# KiCad board bottom-board.kicad_pcb (continued)
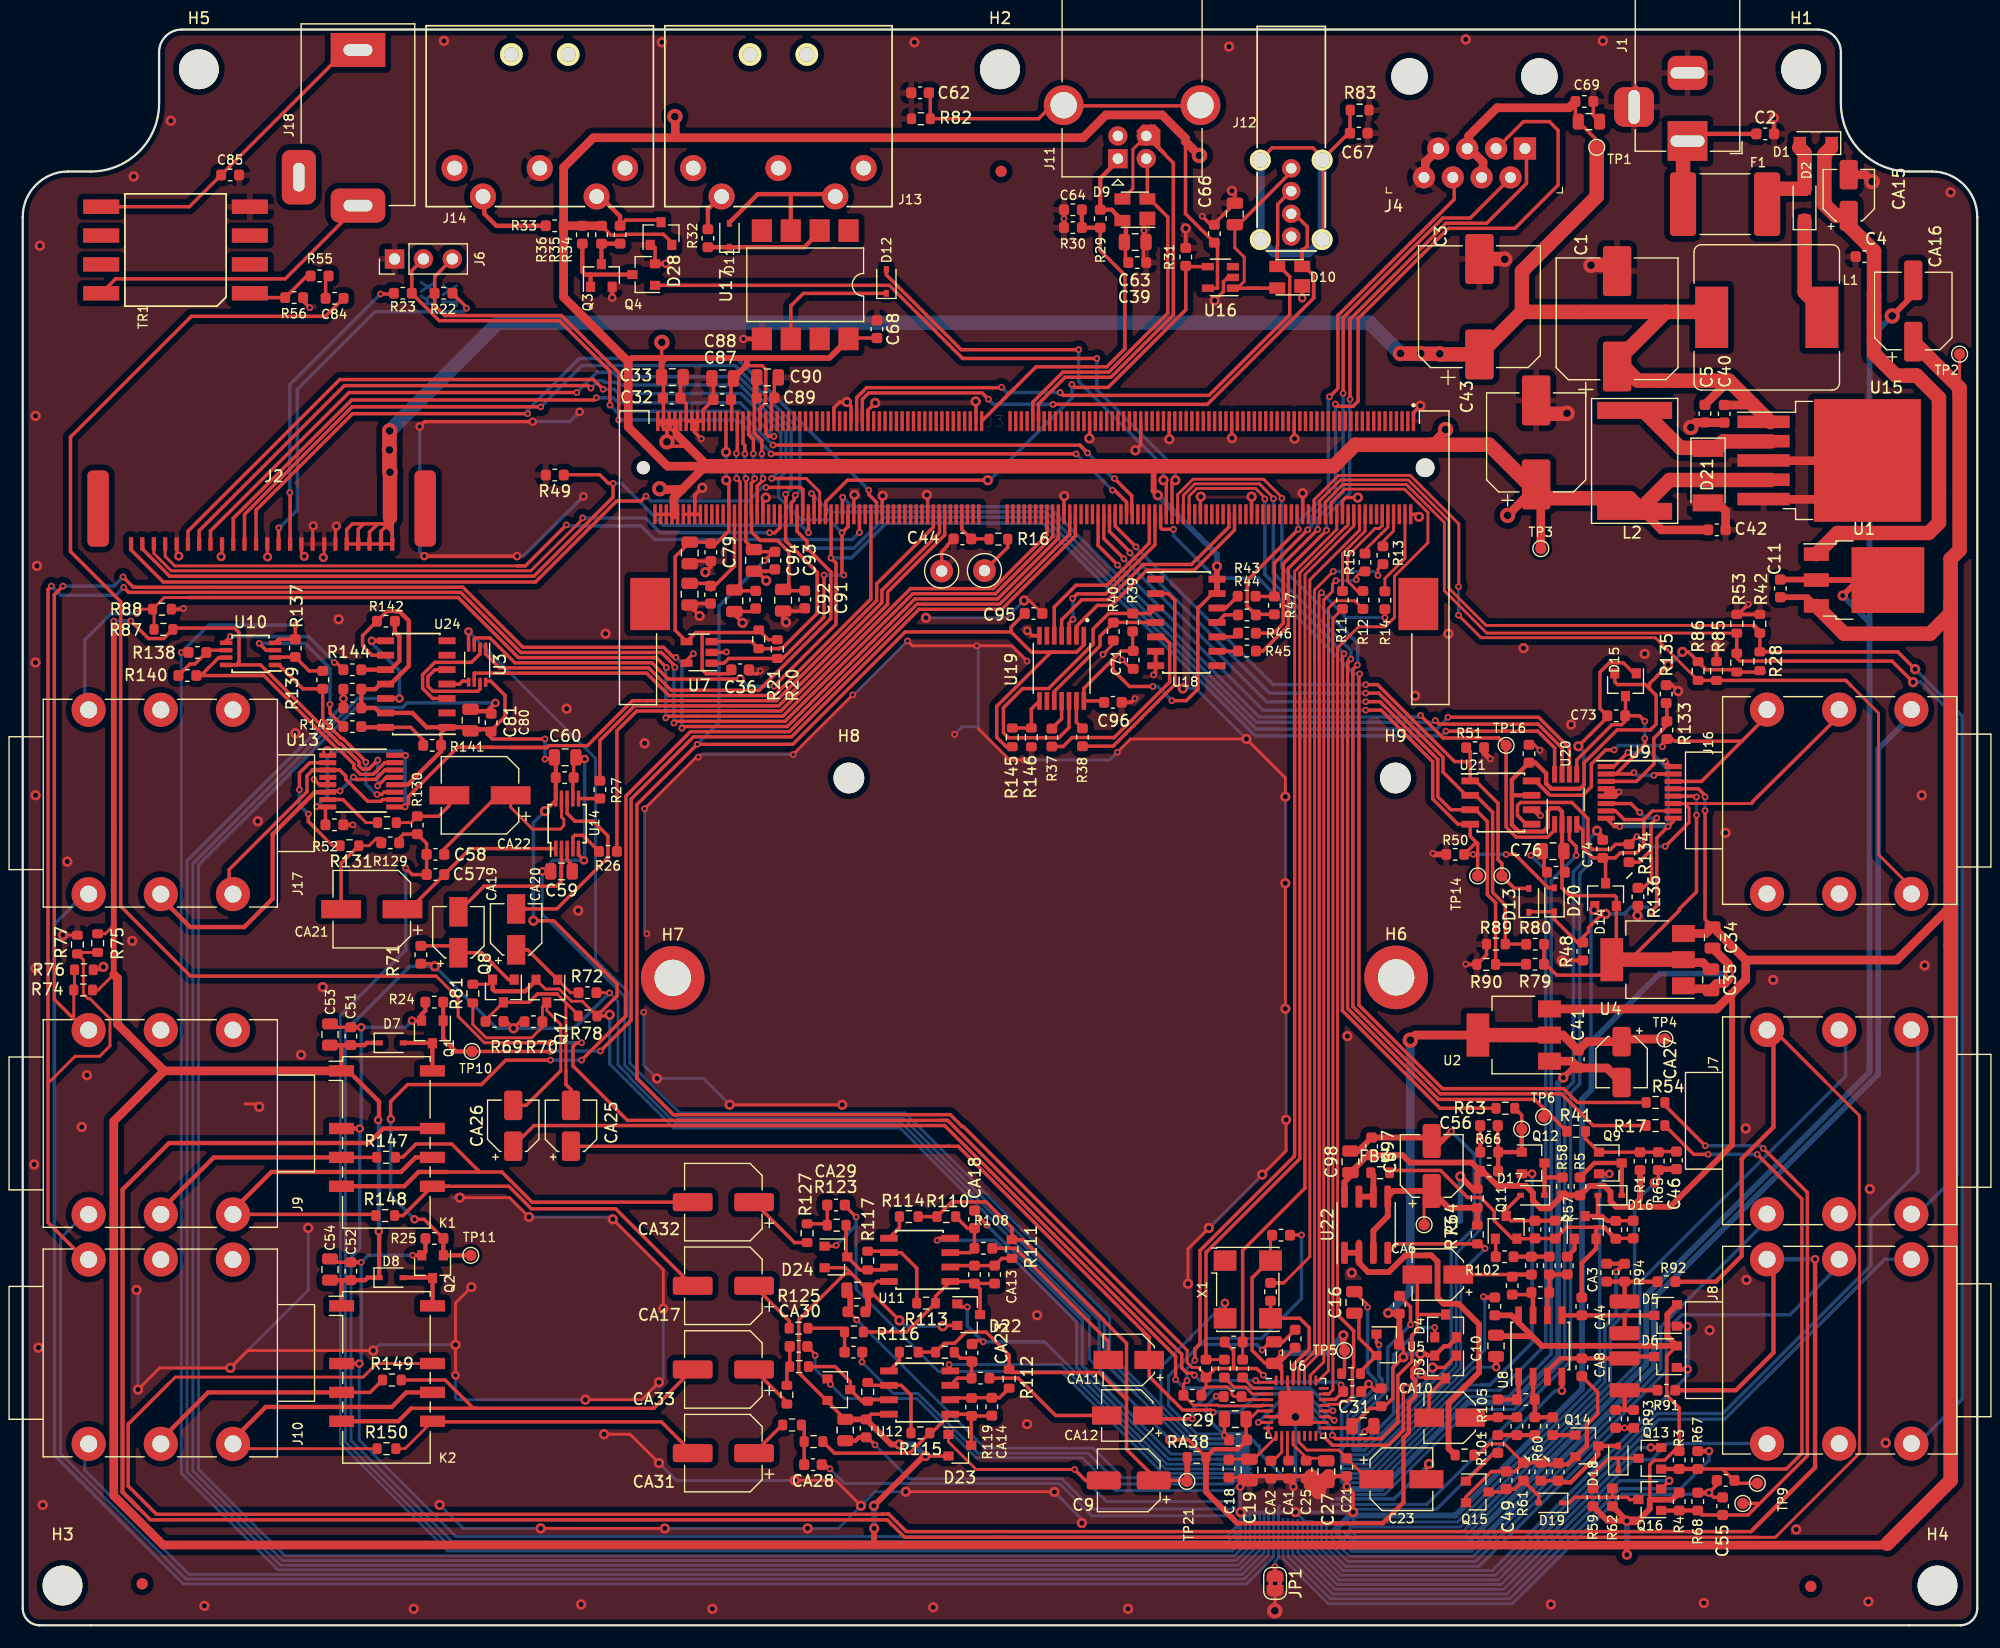
[diagram p0: board, top side]
## Routing (per net, layer and track width the routed paths; a pad name or vN(x,y) marks a point on that pad's centre or on a via; arc(x,y) is an arc through that point) (continued)
  Top w0.381: C64.2 v2(91.63,123.85) R30.2 ; 98.66,121.84 v2(98.66,122.8) 98.66,123.55 D9.1 ; Q3.2 v4(51.87,116.89) ; D10.1 v4(112.6,116.85) ; U17.5 v4(63.42,113.26) ; Q4.2 v4(56.59,119.88)
  Top w0.508: U9.5 140.09,73 v2(140.46,73.37) 139.62,73.37 U9.4 ; v2(129.14,76.28) 128.6,76.83 R51.2 ; 140.77,134.21 141.93,135.37 ; U21.6 133.05,71.8 v2(133.57,71.28) ; v2(124.09,67.98) 124.19,67.88 R50.2
  Top w0.762: v3(146.8,105.47) 147.24,105.91 C5.2 148.05,105.89 C40.2 ; 124.7,130.11 123.43,128.84 123.43,127.57 ; CA15.2 162.14,127.72 v3(162.75,127.11) ; 153.86,99.14 159.61,99.14 163.01,102.54 153.86,102.54 ; 149.11,98.87 149.86,98.12 C42.2
  Top w1.27: C3.2 130.39,120.3 v3(130.41,120.28) ; 133.73,106.67 135.86,106.67 v3(135.9,106.71) ; v3(138.01,119.74) 138.04,119.78 140.33,119.78
  Bottom w0.254: v1(67.93,12.76) 57.52,12.76 v1(55.99,14.28) ; v2(96.33,76.87) 95.64,76.18 v2(88.12,76.18) ; v1(36.69,10.6) 38.75,8.53 v1(45.58,8.53) ; v2(73.03,81.92) 73.11,81.92 v2(77.86,86.67) ; v2(67.8,76.66) 59.67,76.66 v2(59.45,76.44) ; v4(38.08,22) 38.08,20 38.22,19.86 v1(49.51,19.86) ; v1(56.37,27.87) 56.37,21.77 v1(55.99,21.39) ; v1(10.02,29.52) 10.14,29.39 v1(10.14,20.76) ; v2(54.72,71.89) 54.72,61.09 v2(54.92,60.89) ; v2(54.65,53.98) 54.65,49.32 v1(55.82,48.15) 59.9,48.15 v1(62.21,45.83) ; v1(88.12,90.23) 86.6,88.7 v1(79.49,88.7) ; v1(90.79,11.74) 93.2,9.33 v1(93.2,9) ; v1(25.13,34.98) 25.13,29.52 v1(18.27,22.66) ; v1(38.08,24.7) 31.35,24.7 v1(30.85,24.19) ; v1(111.11,54.29) 111.18,54.22 v1(111.18,44.51) ; v1(107.68,78.04) 103.24,82.48 v1(102.09,82.48) ; v1(77.71,11.76) 75.01,11.76 v1(73.77,10.53) 71.78,8.53 v1(69.07,8.53) v1(56.5,8.53) ; v2(82,78.44) 82.66,79.1 84.08,79.1 84.08,86.11 v2(83.96,86.24) ; v1(104.38,34.98) v1(109.08,39.68) ; v1(44.55,35.95) 51.72,35.95 v1(51.93,35.74) ; 37.83,37.65 v1(38.47,37.65) ; v1(111.11,65.34) v1(111.11,72.96)
  Bottom w0.305: v4(34.93,105.54) 34.93,94.55 v4(35.34,94.14) ; v4(49.01,106.84) 48.15,105.98 v4(44.87,105.98) ; v4(43.49,94.14) 44.08,94.14 v4(49.34,99.4)
  vias: v1(1,40.57) v1(1.13,106.48) v1(1.13,84.77) v1(1.13,73.08) v1(1.13,57.84) v1(1.25,93.28) v1(1.38,24.44) v1(1.51,121.47) v1(1.76,10.6) v1(3.92,67.24) v1(5.19,43.87) v1(5.65,48.43) v1(9.64,60.26) v1(9.76,127.57) v1(13.03,132.47) v1(15.99,1.71) v1(20.69,70.8) v1(23.99,78.54) v1(24.5,50.22) v1(26.4,56.19) v1(27.8,88.58) v1(34.4,1.45) v1(37.07,139.5) v1(47.86,80.7) v1(48.88,62.92) v1(49.13,1.84) v1(51.29,87.31) v1(54.72,77.65) v1(56.25,139.38) v1(60.69,1.45) v1(78.47,139.38) v1(79.56,99.52) v1(80.12,1.58) v1(88.38,17.71) v1(89.27,27.3) v1(97.27,1.45) v1(106.16,139) v1(116.57,51.87) v1(116.95,31.05) v1(122.54,81.85) v1(125.46,87.31) v1(126.98,139.63) v1(132.06,86.04) v1(134.48,1.84) v1(136.26,79.31) v1(139.05,139.5) v1(142.73,85.53) v1(147.94,1.96) v1(148.45,25.97) v1(149.84,69.78) v1(151.62,43.75) v1(151.69,30.41) v1(154.04,56.83) v1(156.07,8.44) v1(162.42,2.09) v1(162.54,38.41) v1(163.94,16.06) v1(167.12,73.08) v1(167.37,58.1) v1(169.66,126.17) v2(14.13,89.54)
VCC1V8_CODEC: length 207.8
  Top w0.254: v2(116.01,21.16) 116.2,20.97 C20.2 ; 101.74,24.95 102.47,24.21 102.47,23.12 102.89,22.71 103.41,22.71 104.13,21.99 R7.1 104.13,20.99 106.01,20.99 106.4,20.6 106.4,20.34 106.6,20.14 C22.2 107.54,19.86 U6.3
  Top w0.305: v2(63.55,103.14) 63.55,103.89 63.39,104.05 J3.229 ; 104.13,20.99 103.72,20.58 R6.1 ; 86.98,87.46 86.98,87.89 C95.1 ; 86.98,87.46 88.76,85.68 91.96,85.68 ; 86.98,87.46 77.66,87.46 67.77,77.57 v2(59.36,77.57) 54.05,72.26 54.05,48.15 57.24,44.96 81.62,44.96 82.67,43.91 82.78,43.91 101.74,24.95 ; 91.96,85.68 92.75,85.68 93.37,86.31 U19.1 ; 91.96,85.68 90.48,85.68 85.71,80.91 85.71,78.19 86.55,77.35 R145.1 ; 106.58,22.6 108.59,22.6 v2(109.18,22.02) ; 106.58,22.6 104.92,22.6 R7.1 ; 106.58,22.6 106.55,22.64 106.55,24.17 R8.1 ; 116.06,20.72 C20.2 115.52,19.89 114.51,19.89 U6.22 ; v2(65.29,93.76) 66.05,94.52 C93.2 64.54,94.52 C94.1 63.64,95.42 J3.228 63.65,97.84 v2(63.65,100.96)
  Bottom w0.305: v2(109.18,22.02) 109.78,21.42 115.76,21.42 v2(116.01,21.16) ; v2(63.65,100.96) 63.55,101.07 v2(63.55,103.14) ; v2(59.36,77.57) 61.27,79.48 61.27,89.74 v2(65.29,93.76)
VCC3V3_S0: length 22.1
  Top w0.305: 65.3,95.51 64.89,95.51 64.14,96.27 J3.226 64.11,97.84 64.11,100.56 64.4,100.85 v2(64.4,100.97) ; 65.3,95.51 66.42,95.51 ; 65.3,95.51 66.42,95.51 ; 64.3,104.42 64,104.71 ; 64.3,104.42 v2(64.3,103.16) ; 64.3,104.42 63.89,104.83 J3.227 63.89,104.98 ; 66.42,95.51 67.41,94.52 67.41,91.7 C92.1 67.03,91.09 C91.2
  Bottom w0.305: v2(64.4,100.97) 64.3,101.08 v2(64.3,103.16)
VCC_RTC: length 9.1
  Top w0.305: C78.1 60.3,91.73 C72.2 ; 60.53,91.15 62.64,93.26 62.64,97.46
VDDIO_WL: length 14.5
  Top w0.305: v2(65.05,103.14) 65.05,104.31 64.39,104.97 J3.225 64.39,109.67 C90.1 C89.2 ; J3.224 64.64,100.31 65.15,100.83 v2(65.15,100.97)
  Bottom w0.305: v2(65.05,103.14) 65.05,101.08 v2(65.15,100.97)
/audio-inputs/INPUT_BIAS: length 19
  Top w0.254: TP20.1 123.32,37.57 C6.1
  Top w0.381: 127.95,35.24 R73.1
  Top w0.508: U22.3 118.86,34.74 120.13,36.01 U22.5 120.63,38.24 C6.1 125.47,36.76 R64.2 R73.1
/audio-inputs/INPUT_BIAS_1: length 32.1
  Top w0.305: R18.2 140.22,34.07 C48.1 ; 138.45,35.04 135.85,35.04 R57.2 133.1,34.05 C50.1 133.05,34.04 Q11.2 131.09,34.04 129.49,35.63 129.49,36.45 128.28,37.67 127.15,37.67 124.77,40.05 120.48,40.05 FB3.1
  Top w0.381: R18.2 139.17,35.04 138.45,35.04 Q10.2 138.45,33.15 137.2,31.9 R96.1
/audio-inputs/INPUT_BIAS_2: length 26.2
  Top w0.254: R61.2 130.39,15.98 129.08,15.98 128.09,14.99 FB2.1
  Top w0.305: Q14.2 136.69,14.84 ; 136.94,21.67 R95.1 138.59,20.53 138.59,18.6 137.64,17.65 ; Q15.2 127,11.3 129.25,13.55 C49.1 131.3,13.55 R61.2 R60.2
  Top w0.381: 136.69,14.84 137.64,15.8 137.64,17.65 ; 133.4,14.16 135.95,14.16 Q14.2
/audio-outputs/OUTPUT_BIAS: length 65.1
  Top w0.305: R114.1 R110.2 81.74,37.27 84.75,37.27 87.06,34.97 R111.2 88.01,33.95 97.13,24.83 97.13,19.86 ; 97.13,19.86 97.13,15.49 99.53,13.1 C9.1 102.36,12.76 TP21.1 ; 97.13,19.86 97.13,19.88 94.75,22.26 87.07,22.26 R112.2 86.8,23.79 84.78,25.82 83,25.82 82.01,24.83 81.1,24.83 R109.2 R116.1
  Top w0.508: RA38.2 102.47,12.63
CHAIN_UART_DE: length 15.8
  Top w0.305: J3.94 99.14,95.28 95.43,91.57 92.7,91.57 90.77,89.65 U19.5
CHAIN_UART_RE: length 15.3
  Top w0.305: J3.92 99.64,95.14 95.3,90.8 92.78,90.8 v2(92.39,90.41) ; U19.3 92.07,88.22 v2(92.42,88.57)
  Bottom w0.305: v2(92.42,88.57) 92.42,90.37 v2(92.39,90.41)
CHAIN_UART_RX: length 19.6
  Top w0.305: U19.2 92.72,87.95 94.57,89.8 95.82,89.8 98.92,92.89 103.1,92.89 106.64,96.43 J3.64
CHAIN_UART_TX: length 20.6
  Top w0.305: J3.66 106.14,96.69 102.85,93.4 98.61,93.4 95.51,90.3 93.2,90.3 91.42,88.53 U19.4
CLI_UART_RX: length 78.6
  Top w0.305: v2(51.67,107.44) 51.67,110.42 47.23,114.87 36.65,114.87 R23.2 34.24,119.27 J6.2 ; v2(96.07,100.97) 97.59,99.45 97.59,97.86 J3.100 ; v2(66.02,103.91) 93.02,103.91 v2(93.71,103.22) 93.02,103.91
  Bottom w0.305: v2(66.02,103.91) 63.04,106.89 52.22,106.89 v2(51.67,107.44) ; v2(96.07,100.97) 95.96,100.97 v2(93.71,103.22)
CLI_UART_TX: length 76.4
  Top w0.305: v2(52.45,106.13) 52.45,110.29 47.42,115.32 37.12,115.32 36.24,116.2 R22.2 36.25,117.29 36.25,118.75 J6.3 ; v2(95.89,99.94) 96.08,99.94 97.14,98.89 J3.102 ; v2(65.85,103.14) v2(92.69,103.14)
  Bottom w0.305: v2(92.69,103.14) v2(95.89,99.94) ; v2(65.85,103.14) 65.85,103.23 62.95,106.13 v2(52.45,106.13)
CODEC_ADC_A: length 32.6
  Top w0.254: v2(108.73,17.86) U6.7
  Top w0.305: v2(115.24,16.73) 115.54,16.43 119.55,16.43 121.02,17.9 121.02,21.99 122.25,23.23 122.25,25.54 122.73,26.01 122.73,27.36 ; 122.73,27.36 122.73,27.36 D4.3 ; 122.73,27.36 CA6.2
  Bottom w0.305: v2(115.24,16.73) 115.24,17.33 114.54,18.03 114.54,18.11 112.78,19.87 110.74,19.87 v2(108.73,17.86)
CODEC_ADC_B: length 28.7
  Top w0.254: U6.8 109.61,17.36 v2(109.61,16.71)
  Top w0.305: v1(123.08,22.13) 123.46,21.75 D3.3 123.77,20.31 CA10.2 ; v1(121.77,20.84) 121.49,20.56 121.49,17.18 120.17,15.85 115.26,15.85 v2(114.45,16.67)
  Bottom w0.305: v2(109.61,16.71) 109.61,17.73 111.24,19.36 112.57,19.36 114.08,17.85 114.08,17.03 v2(114.45,16.67) ; v1(121.77,20.84) 123.06,22.13 v1(123.08,22.13)
CODEC_DAC_A: length 81.6
  Top w0.254: v2(115.41,18.05) 115.34,18.05 115.02,18.36 U6.19
  Top w0.305: v2(104.76,18.75) 104.56,18.95 102.08,18.95 99.13,21.9 CA11.1 99.13,25.36 82.32,42.18 CA25.1
  Bottom w0.305: v2(115.41,18.05) 115.24,18.05 112.92,20.38 108.68,20.38 107.09,18.79 104.79,18.79 v2(104.76,18.75)
CODEC_DAC_B: length 96.9
  Top w0.254: v2(115.3,18.88) 115.28,18.86 U6.20
  Top w0.305: 101.99,18.17 102.39,18.17 102.17,18.17 ; 101.99,18.17 102.01,18.18 v2(102.92,18.18) ; 101.99,18.17 98.02,18.17 ; CA26.1 44.99,44 81.14,44 101.45,23.68 v2(101.45,21.63)
  Bottom w0.305: 107.39,20.89 113.3,20.89 v2(115.3,18.88) ; 107.39,20.89 104.84,20.89 102.92,18.96 v2(102.92,18.18) ; 107.39,20.89 102.2,20.89 v2(101.45,21.63)
CODEC_I2C_SCL: length 81.3
  Top w0.254: R7.2 R10.2 ; 112.38,81.75 112.38,92.67 116.39,96.68 116.45,96.68 116.64,96.87 J3.24
  Top w0.305: 112.38,81.75 112.38,41.08 104.18,32.88 104.13,32.88 R7.2
CODEC_I2C_SDA: length 78.5
  Top w0.254: R9.2 R8.2 ; 112.84,81.57 112.84,92.5 117.14,96.79 J3.22
  Top w0.305: R8.2 107.35,33 112.84,38.49 112.84,81.57
CODEC_I2S_BCLK: length 7.5
  Top w0.254: J3.4 121.64,93.93 119.87,92.17 R14.2
CODEC_I2S_LRCK: length 3.2
  Top w0.254: R13.2 119.69,95.41 120.64,96.35 J3.8
CODEC_I2S_MCLK: length 71.6
  Top w0.254: J3.20 117.64,96.42 113.27,92.05 113.27,32.45 110.97,30.15
  Top w0.305: R19.2 110.97,30.15
CODEC_I2S_SDIN: length 9.1
  Top w0.254: R12.2 117.46,91.07 116.6,91.93 116.6,94.17 119,96.57 119.38,96.57 119.64,96.83 J3.12
CODEC_I2S_SDOUT: length 4.3
  Top w0.254: J3.10 120.14,96.69 119.57,96.12 119.57,96.12 118.12,94.67 R15.2
CODEC_MUTEC: length 96.8
  Top w0.254: U6.21 114.84,19.36 114.94,19.46 115.79,19.46 116.05,19.72 ; 115.7,29.63 115.7,86.06 117.56,87.92 119.9,87.92 120.71,88.73 120.71,92.37 123.66,95.31 123.66,97.97 121.6,100.03 116.33,100.03 115.14,98.84 J3.30
  Top w0.305: 115.73,29.63 115.73,27.31 117.12,25.92 117.12,22.75 117.01,22.64 117.01,20.17 116.56,19.72 116.05,19.72
CODEC_RESET: length 91.8
  Top w0.15: 109.59,19.38 109.54,19.38
  Top w0.254: J3.28 115.64,96.49 111.93,92.79 111.93,81.94 ; 108.62,19.32 109.08,19.32 108.37,19.32 ; 108.62,19.32 109.14,19.39 109.14,19.37 ; 108.62,19.32 108.37,19.32 ; 108.37,19.32 105.26,19.32 105.2,19.38 103.02,19.38 R6.2 102.14,21.23 v2(102.46,21.55)
  Top w0.305: 111.93,81.94 111.93,41.39 111.88,41.34 111.88,41.27 103.6,33 103.6,24.8 103.15,24.35 103.15,23.34 v2(103.15,23.33)
  Bottom w0.254: v2(103.15,23.33) 102.46,22.64 v2(102.46,21.55)
CODEC_SPDIF_OUT: length 195.9
  Top w0.254: 36.38,57.16 38.32,55.23 38.32,53.61 40.63,51.29 42.25,51.29 ; U6.32 110.14,21.39 108.7,21.39 108.53,21.56 v2(108.5,21.56)
  Top w0.305: 81.33,44.45 80.94,44.45 ; 80.94,44.45 53.21,44.45 48.42,49.25 48.42,50.95 48.75,51.29 v2(49.18,51.29) ; 80.94,44.45 81.41,44.45 81.41,44.44 101.99,23.86 101.99,22.66 102.45,22.2 102.92,22.2 v2(103.1,22.02) ; C84.2 26.64,115.25 14.83,115.25 4.2,104.61 4.2,94.55 8.62,90.13 8.62,63.3 14.76,57.16 36.38,57.16 ; v2(46.45,51.29) 42.25,51.29
  Bottom w0.254: v2(103.1,22.02) 103.57,21.56 v2(108.5,21.56)
  Bottom w0.305: v2(46.45,51.29) 46.45,51.29 v2(49.18,51.29)
CODEC_SPDIF_SDIN: length 7.6
  Top w0.254: R11.2 116.14,94.35 118.12,96.33 118.12,97.8
CV1_IN: length 36.3
  Top w0.305: U21.8 132.99,74.34 ; U21.8 133.26,74.34 ; U21.8 133.12,74.34 ; 134.49,73.08 137.29,73.08 138.04,73.83 138.04,75.82 139.3,77.08 v2(140.04,77.08) ; U9.14 147.73,74.3 151.28,77.84 ; 151.28,77.84 154.06,80.63 ; 151.28,77.84 145.35,77.84 145.16,78.03 R133.1 144.31,77.65 v2(144.31,77.36) ; 133.12,74.34 134.09,73.37 134.09,73.37 134.31,73.15 ; 133.12,74.34 134.38,73.09
  Bottom w0.305: v2(144.31,77.36) 144.2,77.46 140.42,77.46 v2(140.04,77.08)
CV2_IN: length 43.9
  Top w0.254: 152.13,72.35 U9.11 146.24,72.35 146.64,71.96 146.64,70.68 146.29,70.33
  Top w0.305: v2(144.54,68.58) 146.29,70.33 ; v2(142.05,69.44) 142.02,69.44 R134.1 140.88,68.76 140.87,68.76 140.16,68.76 139.71,68.31 138.14,68.31 137.74,68.71 137.74,71.03 136.32,72.45 131.8,72.45 131.54,72.18 131.54,71.3 132.31,70.53 U21.5 ; 160.41,80.63 152.29,72.58 152.13,72.35
  Bottom w0.305: v2(142.05,69.44) 142.91,68.58 v2(144.54,68.58)
CV_10V_OUT1: length 18.1
  Top w0.305: U13.11 31.8,73.35 31.6,73.16 v2(31.18,73.16) ; U10.1 22.55,84.55 24.65,82.45 R139.2 26.4,79.73 28.05,78.08 28.17,78.08 30.19,76.06 v2(30.19,75.98)
  Bottom w0.305: v2(31.18,73.16) 31.09,73.16 30.19,74.05 v2(30.19,75.98)
CV_10V_OUT2: length 25
  Top w0.305: U13.15 31.87,75.95 30.85,74.93 29.71,74.93 29.13,75.51 29.13,75.83 27.83,77.13 27.71,77.13 21.22,83.62 R140.2 15.68,83.62 17.26,85.2 U10.7
CV_ADC_DIN: length 125.3
  Top w0.305: v2(125.42,79.95) 133.4,79.95 136.11,77.23 U20.6 ; J3.210 68.14,96.32 69.02,95.43 v2(69.02,94.84) 71.12,92.74 71.12,88.65 65.14,82.67 65.14,82.66 64.79,82.32 57.07,82.32 55.09,84.29 41.97,84.29 40.73,85.53 40.73,86.23
  Bottom w0.305: 125.42,79.91 124.41,78.91 108.53,78.91 93.29,94.15 93.28,94.15 89.86,97.57 75.87,97.57 73.14,94.84 v2(69.02,94.84)
CV_ADC_DOUT: length 79.7
  Top w0.305: v2(124.31,79.66) 124.62,79.34 133.36,79.34 135.46,77.24 U20.7 ; v2(69.42,99.65) 69.64,99.43 J3.204
  Bottom w0.254: v2(69.42,99.65) 71.04,98.03 72.56,98.03
  Bottom w0.305: v2(124.31,79.66) 124.16,79.5 108.58,79.5 90.06,98.03 90.05,98.03 72.56,98.03
CV_ADC_SCLK: length 122.5
  Top w0.305: v2(125.24,78.73) 133.33,78.73 134.81,77.25 U20.8 ; v2(66.11,82.68) 71.57,88.14 71.57,93.52 v2(71.12,93.97) 71.14,93.96 71.14,93.83 J3.198 ; v4(63.15,83.34) 63.12,83.31 56.8,83.31 55.37,84.74 43.31,84.74 41.12,86.93 39.84,86.93 39.73,86.82 39.73,86.23
  Bottom w0.305: v4(63.15,83.34) 63.82,82.68 v2(66.11,82.68) ; v2(71.12,93.97) 72.92,93.97 75.99,97.05 89.74,97.05 108.48,78.31 124.82,78.31 v2(125.24,78.73)
CV_ADC_~{CS}: length 81.6
  Top w0.305: U20.1 134.81,70.02 134.18,69.39 131.43,69.39 130.54,70.29 TP16.1 129.88,78.12 124.99,78.12 v2(123.01,80.11) ; v2(72.16,99.32) 72.14,99.3 J3.194
  Bottom w0.305: v2(123.01,80.11) 122.87,79.97 108.82,79.97 90.31,98.48 73,98.48 v2(72.16,99.32)
CV_DAC_~{CS}: length 47.4
  Top w0.305: J3.184 74.64,90.35 66.14,81.86 66.14,81.86 56.88,81.86 54.9,83.83 39.73,83.83 39.73,83.13
CV_EXP_SW: length 43.4
  Top w0.305: U9.16 145.02,75.6 v2(144.54,76.08) ; U9.9 145.24,70.78 v2(144.79,70.33) 143.79,69.33 143.79,63.33 v2(143.29,62.83) ; U9.1 140.01,75.6 v2(141.26,76.86) ; D13.1 132.59,62.83 D20.1 134.79,62.14 136.82,60.11 R48.1 137.29,60.58 137.79,61.08 137.79,61.43 139,62.64 v1(139.29,62.64) ; U9.8 140.07,70.33 v2(140.54,70.33)
  Bottom w0.305: v1(139.29,62.64) 140.92,62.64 141.53,63.24 142.92,63.24 143.29,62.87 v2(143.29,62.83) ; 143.04,76.83 143.37,76.83 144.12,76.08 v2(144.54,76.08) ; 143.04,76.83 v2(141.26,76.86) ; 143.04,76.83 143.26,76.86 144.79,75.33 v2(144.79,70.33) v2(140.54,70.33)
CV_IN_DET: length 83.9
  Top w0.254: 113.64,99.09 J3.36 113.64,99.09 ; 113.64,99.09 115.79,101.24 122.1,101.24 126.37,96.97 126.37,91.47 v2(126.35,91.45) ; R86.1 143.67,86.95 128.33,86.95 v2(126.35,88.93) ; 166.76,64.4 163.31,67.86 163.31,80.32 160.92,82.71
  Top w0.305: 160.92,82.71 160.44,83.19 R85.2 147.43,83.19 R86.1
  Bottom w0.254: v2(126.35,91.45) v2(126.35,88.93)
CV_OUT_1: length 14.4
  Top w0.305: U10.3 21.41,85.85 v2(20.81,86.45) ; R143.2 27.04,80.31 v2(27.04,81.08)
  Bottom w0.305: v2(20.81,86.45) 24.84,86.45 27.04,84.26 v2(27.04,81.08)
CV_OUT_2: length 11.9
  Top w0.305: v2(27.42,84.77) 27.58,84.77 R144.2 ; U10.5 17.9,86.68 v2(18.27,87.05)
  Bottom w0.305: v2(27.42,84.77) 25.13,87.05 v2(18.27,87.05)
CV_OUT_DET: length 109.8
  Top w0.254: R87.1 11.55,89.34 R88.2 ; R88.2 12.45,90.49 14.55,90.49 ; R88.2 10.43,89.47 v2(10.04,89.08)
  Top w0.305: 55.43,85.2 55.55,85.2 ; 55.43,85.2 55.76,85.2 v2(56.64,84.32) ; 55.43,85.2 43.62,85.2 38.33,90.49 14.55,90.49 ; J3.130 90.14,96 85.41,91.28 78.13,91.28 66.9,80.04 56.74,80.04 v2(56.59,79.89)
  Bottom w0.305: 5.46,80.63 5.46,86.76 7.78,89.08 v2(10.04,89.08) ; v2(56.59,79.89) 56.59,84.27 v2(56.64,84.32)
EXP_EN1: length 57.8
  Top w0.305: TP15.1 130.17,67.07 129.83,67.41 129.83,72.37 127.86,74.34 U21.1 127.38,76.04 ; TP15.1 131.27,64.88 D13.2 ; TP15.1 131.03,65.12 ; 127.38,76.04 126,76.04 119.22,82.82 v2(118.19,82.82) ; 127.38,76.04 127.38,76.92 R51.1 ; J3.106 96.14,96.78 v2(97.96,94.96)
  Bottom w0.305: v2(118.19,82.82) 110.03,82.82 98.04,94.81 98.04,94.87 v2(97.96,94.96)
EXP_EN2: length 63.2
  Top w0.305: 128.03,68.83 127.38,69.49 U21.4 126.3,70.53 124.08,72.76 124.08,76.04 119.54,80.57 v2(118.19,80.57) ; 128.03,68.83 TP14.1 ; 128.03,68.83 127.8,68.83 R50.1 127.64,67.88 v2(127.64,67.88) ; J3.112 94.64,95.07 v2(96.35,93.35) ; D20.2 134.26,64.93 131.31,67.88 v2(130.54,67.88)
  Bottom w0.305: v2(127.64,67.88) v2(130.54,67.88) ; v2(118.19,80.57) 109.13,80.57 96.66,93.05 96.65,93.05 v2(96.35,93.35)
EXP_FLAG1: length 60.2
  Top w0.305: J3.108 95.64,96.3 97.43,94.51 v2(97.43,94.43) ; v2(118.19,82.07) 119.33,82.07 120.66,80.74 120.66,80.74 124.99,76.42 124.99,75.12 127.03,73.07 U21.2 127.86,73.07 129.35,71.58 129.35,71.58 129.35,64.52 130.46,63.41 R89.2 132.29,59.98 R80.1
  Bottom w0.305: v2(97.43,94.43) 97.6,94.25 97.6,94.2 109.73,82.07 v2(118.19,82.07)
EXP_FLAG2: length 63.7
  Top w0.305: v2(118.19,81.32) 119.44,81.32 124.53,76.23 124.53,72.95 125.67,71.8 U21.3 127.86,71.8 128.88,70.78 128.88,64.35 129.61,63.62 R90.2 129.63,58.2 R79.1 ; v2(96.9,93.9) 96.9,93.92 95.13,95.69 95.14,95.69 J3.110
  Bottom w0.305: v2(96.9,93.9) 97.19,93.61 97.19,93.58 109.44,81.32 v2(118.19,81.32)
HMI_ISP_ENABLE: length 69.1
  Top w0.305: 68.64,100.05 J3.208 68.64,99.99 68.44,100.18 v2(65.4,100.18) ; J2.1 9.53,94.69 12.37,91.86 45.12,91.86 52.25,98.99 54.41,98.99 v2(54.85,99.42)
  Bottom w0.305: v2(54.85,99.42) 55.28,98.99 63.89,98.99 65.08,100.18 v2(65.4,100.18)
HMI_RESET: length 72.2
  Top w0.305: 10.53,95.21 10.53,94.77 12.93,92.37 44.99,92.37 51.95,99.33 v2(51.95,100.54) 51.55,100.54 50.78,101.3 47.64,101.3 R49.1 ; v2(69.15,96.2) 69.15,97.8 J3.206
  Bottom w0.305: v2(51.95,100.54) 52.69,100.54 54.98,98.25 54.98,98.24 56.35,96.87 68.48,96.87 v2(69.15,96.2)
HMI_RFU_01(RX): length 67
  Top w0.305: J2.11 19.52,97.81 28.98,107.28 v2(45.58,107.28) ; v2(67.99,99.5) 67.89,99.4 67.89,99.08 67.64,98.82 J3.212
  Bottom w0.305: v2(45.58,107.28) 49.22,110.92 62.69,110.92 68.39,105.22 68.39,99.89 v2(67.99,99.5)
HMI_RFU_02(TX): length 69.8
  Top w0.305: J2.12 20.53,98.19 29.02,106.68 v2(44.43,106.68) ; J3.182 75.14,98.88 74.46,99.55 v2(74.46,99.94)
  Bottom w0.305: v2(44.43,106.68) 44.43,106.99 48.98,111.53 62.87,111.53 v2(74.46,99.94)
HMI_UART_RX: length 66.9
  Top w0.254: J2.4 12.53,94.11 13.37,93.28 44.03,93.28
  Top w0.305: 43.55,93.28 44.23,93.28 v2(47.84,96.88) ; J3.188 73.63,97.81 v2(73.63,96.22)
  Bottom w0.305: v2(73.63,96.22) 73.01,95.59 55.62,95.59 54.42,96.79 47.93,96.79 v2(47.84,96.88)
HMI_UART_TX: length 60.5
  Top w0.254: J2.3 11.54,94.37 13.07,92.84 44.71,92.84 49.28,97.41 v2(49.28,97.5)
  Top w0.305: J3.216 66.64,96.64 66.2,96.2 v2(65.73,96.2)
  Bottom w0.305: v2(65.73,96.2) 56.1,96.2 54.81,97.49 49.29,97.49 v2(49.28,97.5)
HP_CLOCK: length 49.1
  Top w0.305: J3.158 81.14,96.01 76.11,90.98 76.11,89.9 66.71,80.5 54.03,80.5 52.29,78.76 R26.2
HP_CV_JACK_RING: length 31.4
  Top w0.305: U13.6 26.95,73.46 v2(27.92,73.46) ; v2(29.11,74.68) 29.32,74.47 31.03,74.47 31.86,75.3 U13.14
  Top w0.381: 11.81,64.4 14.73,61.48 19.49,61.48 21.99,63.98 21.99,69.63 25.71,73.35 U13.6
  Bottom w0.305: v2(27.92,73.46) 29.11,74.65 v2(29.11,74.68)
HP_CV_JACK_TIP: length 22.5
  Top w0.305: U13.10 31.69,72.7 31.54,72.55 30.36,72.55 28.43,74.48 28.43,74.77 27.9,75.3 U13.3 ; 18.16,64.4 18.16,66.53 25.02,73.39 25.02,74.8 25.52,75.3
  Top w0.381: 25.52,75.3 U13.3
HP_DISABLE: length 91
  Top w0.254: 41.24,77.28 43.24,77.28
  Top w0.305: U13.16 32.76,76.58 v2(33.69,76.58) ; v1(26.81,76.97) 26.84,76.94 U13.1 ; 38.26,77.3 33.95,72.99 33.95,72.36 v2(33.65,72.06) 33.64,72.05 U13.9 ; 38.26,77.3 41.41,77.3 ; 38.26,77.3 46.12,77.3 46.26,77.45 46.3,77.45 ; 42.93,77.28 46.13,77.28 46.3,77.45 ; J3.162 80.14,96.69 75.15,91.7 75.15,90.22 66.33,81.41 54.96,81.41 54.96,81.41 53.65,81.41 49.69,77.45 46.3,77.45 ; v2(25.84,72.08) 25.87,72.05 U13.8 26.64,71.85 R52.1
  Bottom w0.305: v2(33.69,76.58) 33.3,76.97 v1(26.81,76.97) 26.81,73.05 v2(25.84,72.08) 26.64,72.88 ; v2(33.69,76.58) 33.65,76.54 v2(33.65,72.06) ; v2(33.69,76.58) 33.43,76.85
HP_LEFT: length 11.1
  Top w0.254: 26.63,69.28 27.27,68.64 R131.2
  Top w0.305: 26.63,69.28 25.13,70.78 v2(25.13,71.43) ; v2(24.35,73.57) 24.35,75.04 25.26,75.95 U13.2
  Bottom w0.305: v2(24.35,73.57) 24.35,72.21 v2(25.13,71.43)
HP_RIGHT: length 5.2
  Top w0.254: R132.2 30.21,70.67 29.65,71.23
  Top w0.305: U13.7 28.18,72.7 29.65,71.23
HP_UP/DN: length 43.3
  Top w0.305: J3.160 80.68,97.77 80.68,96.19 75.61,91.12 75.61,90.04 66.52,80.95 54.77,80.95 54.77,80.95 53.84,80.95 50.79,77.91 R27.2
IN1: length 282
  Top w0.254: 158.61,47.89 161.63,44.87 161.63,15.14 154.23,7.74 152.7,7.74
  Top w0.305: 10.18,10.33 11.23,9.28 76.08,9.28 77.61,7.75 116.54,7.75 116.54,7.74 152.7,7.74 ; 154.06,52.44 158.61,47.89
  Top w0.381: 154.06,52.44 154.06,43.86 151.27,41.07 151.27,32.52 149,30.25 R92.2 ; 10.18,10.33 8.79,11.73 8.79,38.36 12.89,42.46 30.45,42.46 31.72,43.74 K1.10
IN1_DETECT: length 116.8
  Top w0.254: R53.2 128.84,87.36 125.1,91.09 125.1,97.1 121.77,100.44 116.16,100.44 114.64,98.91 J3.32 114.64,98.95
  Top w0.305: v1(166.35,83.04) 164.5,84.89 151.12,84.89 150.84,85.18 R84.1 R53.2
  Bottom w0.305: 166.76,36.21 170.22,39.66 170.22,79.84 167.02,83.04 v1(166.35,83.04)
IN1_GC1: length 83.1
  Top w0.254: J3.82 102.14,99.49 103.15,100.5 108.83,100.5 110.06,99.27 v2(110.06,99.2)
  Top w0.305: 133.72,45.65 133.07,46.3 124.59,46.3 116.59,54.3 116.59,84.68 116.6,84.69 116.6,84.8 v2(116.87,85.08) ; 133.72,45.65 R41.2 ; 133.72,45.65 133.84,45.52 TP6.1
  Bottom w0.305: v2(116.87,85.08) 116.88,85.09 116.88,85.83 110.06,92.66 v2(110.06,99.2)
IN1_GC2: length 74.1
  Top w0.254: J3.80 102.64,99.42 103.32,100.1 108.49,100.1 109.31,99.28 v2(109.31,99.17)
  Top w0.305: v2(116.28,85.54) 116.13,85.39 116.13,54.11 124.72,45.52 R63.1 ; 116.13,85.63 116.16,85.66
  Bottom w0.305: v2(116.28,85.54) 109.31,92.52 v2(109.31,99.17)
IN1_TBP: length 91.4
  Top w0.305: TP10.1 39.53,50.52 v2(46.45,50.52) ; v2(50.84,50.56) 53.54,53.26 53.54,72.74 59.02,78.22 67.65,78.22 78.88,89.46 86.17,89.46 92.64,95.93 J3.120
  Top w0.381: TP10.1 38.11,50.52 37,51.64 Q1.1 ; R24.1 37,53.24
  Bottom w0.305: v2(46.45,50.52) 46.49,50.56 v2(50.84,50.56)
IN2: length 227.1
  Top w0.25: K2.10 31.15,23.04 29.96,21.85 13.42,21.85 12.86,21.29
  Top w0.305: 152.22,8.39 152.08,8.25 77.75,8.25 76.21,9.8 75.65,9.8 75.63,9.77 11.77,9.77 9.28,12.26 9.28,17.71 12.86,21.29
  Top w0.381: R91.2 150.76,20.7 154.06,24 154.06,32.23 ; 152.22,8.39 157.73,13.89 v4(157.73,32.23)
  Bottom w0.381: 154.06,32.23 v4(157.73,32.23)
IN2_DETECT: length 138.2
  Top w0.254: J3.34 114.14,99.02 115.96,100.84 121.93,100.84 125.51,97.27 125.51,91.3 128.77,88.03 152.19,88.03 R42.2
  Top w0.305: 152.37,88.06 152.87,87.56 R42.2 R28.1 165.01,85.71 v1(166.53,84.18)
  Bottom w0.305: v1(166.53,84.18) 167.21,83.5 167.21,83.49 170.64,80.07 170.67,80.07 170.67,19.91 166.76,16
IN2_GC1: length 90
  Top w0.254: v2(110.8,99.23) 110.8,99.3 109.2,100.91 102.98,100.91 101.64,99.56 J3.84
  Top w0.305: v2(117.45,84.55) 117.04,84.15 117.04,54.49 124.74,46.79 135.41,46.79 138.2,44 R17.2
  Bottom w0.305: v2(117.45,84.55) 117.47,84.58 117.47,86.45 110.8,93.12 v2(110.8,99.23)
IN2_GC2: length 82.4
  Top w0.305: v2(117.65,83.76) 117.59,83.7 117.59,54.59 124.93,47.25 135.6,47.25 136.81,46.03 R54.1 ; J3.90 100.14,96.64 100.28,96.49 v2(101.27,96.49)
  Bottom w0.305: v2(117.65,83.76) 117.17,83.76 108.74,92.2 105,92.2 101.27,95.93 v2(101.27,96.49)
IN2_TBP: length 111.9
  Top w0.305: J3.122 92.14,96.07 85.98,89.91 78.7,89.91 67.46,78.68 58.75,78.68 53.08,73.01 53.08,53.65 52.77,53.34 52.76,53.34 v2(49.18,49.76) ; v2(46.45,49.76) 42.51,49.76 40.36,47.61 33.87,47.61 32.37,46.12 32.37,44.58 v4(32.39,44.56) ; v4(34.48,35.74) 35.33,35.74 R25.1
  Top w0.381: R25.1 Q2.1 ; TP11.1 37.02,32.57
  Bottom w0.305: v2(46.45,49.76) v2(49.18,49.76) ; v4(32.39,44.56) 32.37,44.54 32.37,37.81 32.41,37.81 v4(34.48,35.74)
MIDI_UART_RX: length 37.9
  Top w0.305: D12.2 76,118.89 82.58,112.32 v2(92.92,112.32) ; J3.88 100.64,100.57 v1(100.38,100.82) 100.38,100.7
  Bottom w0.305: v2(92.92,112.32) 92.92,109.51 100.38,102.05 v1(100.38,100.82)
MIDI_UART_TX: length 58.2
  Top w0.305: v1(101.43,100.82) 101.14,100.52 J3.86 ; v2(94.52,111.54) 82.71,111.54 76.27,117.98 Q4.1
  Bottom w0.305: v1(101.43,100.82) 101.43,101.89 94.52,108.79 v2(94.52,111.54)
OUT1_DETECT: length 152
  Top w0.254: R76.2 4.56,56 R74.1 4.49,53.39 5.46,52.42
  Top w0.305: v2(57.48,85.23) 57.48,85.22 57.27,85.22 56.39,86.11 44.01,86.11 38.72,91.4 9.73,91.4 v2(8.83,92.3) ; 5.46,52.42 2.78,55.11 2.78,90.74 v2(3.54,91.5) ; J3.126 91.14,95.71 85.79,90.37 78.51,90.37 67.27,79.13 58.15,79.13 v2(58,78.98)
  Bottom w0.305: v2(57.48,85.23) 58,84.7 v2(58,78.98) ; v2(3.54,91.5) 8.02,91.5 v2(8.83,92.3)
